# Allegro board 1103400-C000PC024-HI3521DV200-CORE-A01-pcb166.brd (continued)
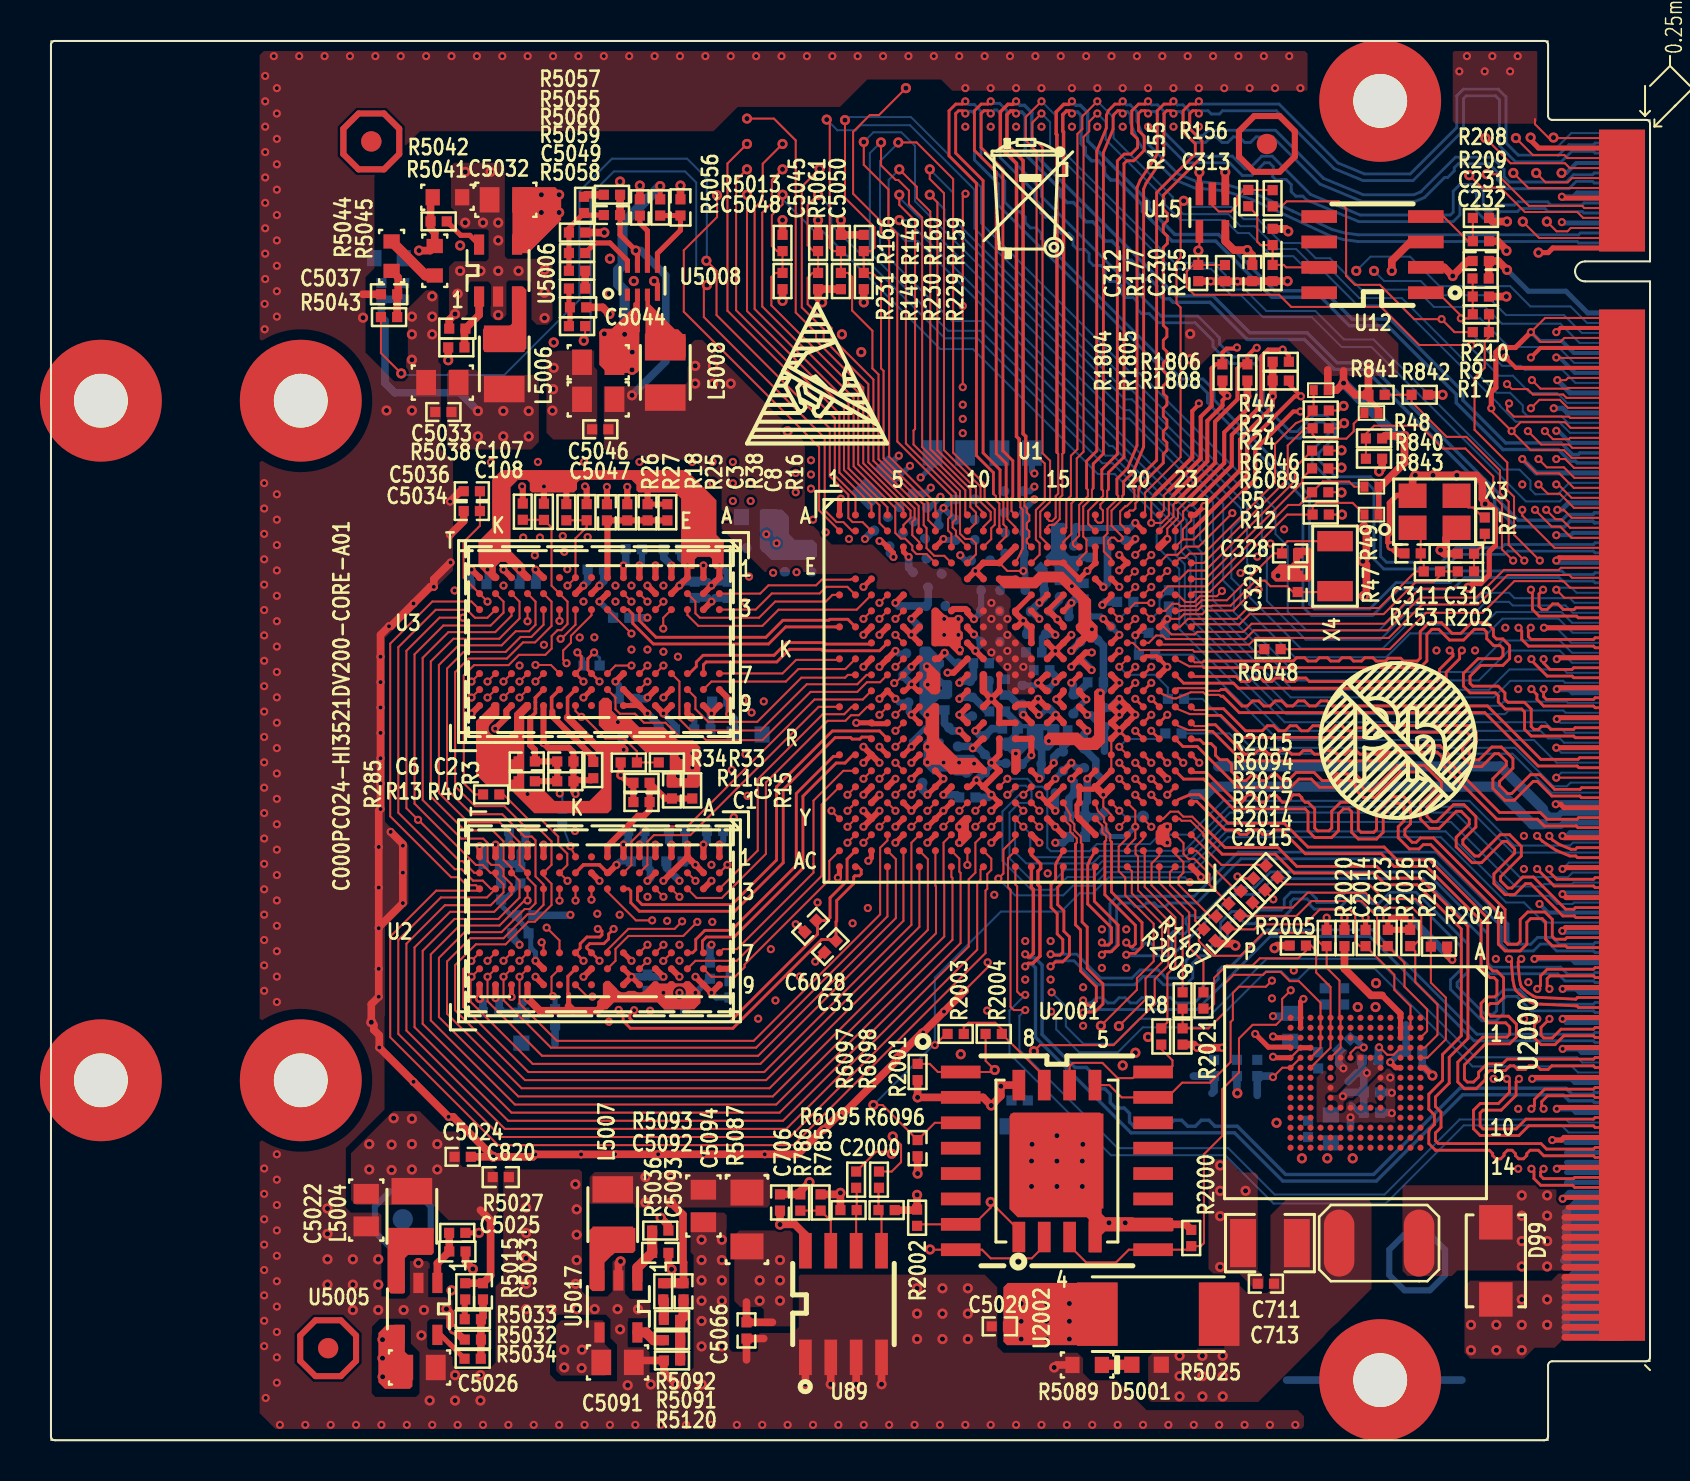
[diagram p0: board, top side]
## Routing (per net, layer and track width the routed paths; a pad name or vN(x,y) marks a point on that pad's centre or on a via; arc(x,y) is an arc through that point) (continued)
MIPI_RX2_D0N/VI2_DATA1: length 34.3
  TOP w0.142: U102.162 76.37,22.15 76.29,22.07 74.31,22.16 74.16,22.23 73.89,22.41 73.71,22.55 73.57,22.69 73.52,22.8 73.47,23.08 73.41,23.73 73.41,23.93 v1(73.56,24.08) ; U1.U19 v1(53.45,33.89)
  ART03 w0.114: v1(73.56,24.08) 73.42,24.22 73.42,27.5 73.19,28.05 66.31,34.93 56.91,34.93 56.59,34.84 55.36,34.65 54.25,34.65 53.98,34.54 53.74,34.31 53.74,34.19 v1(53.45,33.89)
MIPI_RX2_D0P/VI2_DATA2: length 34.3
  TOP w0.142: U1.U20 v1(54.25,33.89) ; U102.164 76.43,21.65 76.34,21.73 76.29,21.73 74.23,21.83 74,21.93 73.69,22.14 73.49,22.3 73.29,22.5 73.2,22.7 73.14,23.03 73.07,23.71 73.07,23.96 v1(72.95,24.08)
  ART03 w0.114: v1(54.25,33.89) 54.1,34.04 54.1,34.16 54.18,34.24 54.32,34.3 55.39,34.3 56.66,34.49 56.96,34.58 60.6,34.58 60.75,34.43 61.06,34.43 61.21,34.58 61.51,34.58 61.67,34.43 61.97,34.43 62.12,34.58 62.43,34.58 62.58,34.43 62.88,34.43 63.04,34.58 63.34,34.58 63.49,34.43 63.8,34.43 63.95,34.58 64.26,34.58 64.41,34.43 64.71,34.43 64.87,34.58 65.18,34.58 65.28,34.48 65.53,34.48 65.63,34.58 66.16,34.58 72.89,27.85 73.07,27.42 73.07,24.2 v1(72.95,24.08)
MIPI_RX2_D1N/VI2_CLK: length 37.4
  TOP w0.142: v1(74.97,21.08) 74.55,20.66 74.55,20.27 74.69,20.13 75.11,20.13 75.55,20.57 77.17,20.57 77.26,20.65 U102.168 ; U1.T21 v1(55.85,33.89)
  ART03 w0.114: v1(74.97,21.08) 74.88,21.17 74.88,21.35 74.97,21.44 74.97,21.9 74.68,22.2 74.2,22.2 73.98,22.42 73.52,22.42 73.18,22.07 73.18,21.62 72.94,21.39 72.78,21.39 72.49,21.68 72.49,22.57 72.17,22.89 71.42,22.89 70.87,23.45 70.87,24.8 71.04,24.98 71.04,25.23 70.87,25.41 70.87,25.71 70.98,25.83 71.19,25.83 71.63,26.26 71.63,26.79 71.19,27.22 70.98,27.22 70.75,27.45 70.75,27.64 70.78,27.67 70.78,27.86 70.64,27.99 70.45,27.99 70.43,27.97 70.24,27.97 70.1,28.1 70.1,28.29 70.13,28.32 70.13,28.51 70,28.64 69.81,28.64 69.78,28.61 69.59,28.61 66.9,31.3 64.82,31.3 64.55,31.57 64.55,31.83 64.14,32.24 63.56,32.24 63.15,31.83 63.15,31.6 62.95,31.4 62.56,31.4 61.49,32.47 60.71,32.47 59.71,33.46 56.55,33.46 56.12,33.89 v1(55.85,33.89)
MIPI_RX2_D1P/VI2_DATA0: length 37.5
  TOP w0.142: v1(74.36,21.08) 74.36,20.94 74.21,20.8 74.21,20.13 74.55,19.79 75.25,19.79 75.69,20.23 77.17,20.23 77.26,20.15 U102.170 ; U1.T20 v1(55.05,33.89)
  ART03 w0.114: v1(74.36,21.08) 74.52,21.25 74.52,21.5 74.62,21.59 74.62,21.75 74.53,21.84 74.05,21.84 73.83,22.06 73.67,22.06 73.53,21.93 73.53,21.48 73.09,21.03 72.63,21.03 72.14,21.53 72.14,22.42 72.02,22.54 71.27,22.54 70.51,23.3 70.51,25.86 70.83,26.18 71.05,26.18 71.27,26.41 71.27,26.64 71.05,26.87 70.83,26.87 66.75,30.95 64.67,30.95 64.19,31.43 64.19,31.68 63.99,31.89 63.71,31.89 63.51,31.68 63.51,31.46 63.1,31.05 62.41,31.05 61.35,32.11 60.56,32.11 59.57,33.11 56.37,33.11 55.95,33.52 55.42,33.52 v1(55.05,33.89)
MIPI_RX3_CKN/VI3_DATA4: length 38.8
  TOP w0.142: U102.174 77.26,19.15 77.17,19.07 72.85,19.07 72.62,18.83 71.85,18.83 71.42,18.41 71.42,18.17 71.17,17.92 70.86,17.92 70.72,18.06 70.72,18.78 71.77,19.84 72.98,19.84 73.31,20.17 73.31,20.82 72.92,21.22 72.02,21.22 71.88,21.36 71.88,21.73 72.01,21.85 72.38,21.85 72.67,22.15 72.67,23.14 72.34,23.48 72.14,23.48 71.88,23.73 71.88,26.12 68.96,29.04 67.33,29.04 66.7,29.68 62.89,29.68 61.7,30.87 58.89,30.87 57.46,32.3 56.98,32.3 56.98,32.29 56.41,32.06 U1.W22
MIPI_RX3_CKP/VI3_DATA3: length 38.6
  TOP w0.142: U102.176 77.26,18.65 77.17,18.73 75.09,18.73 74.9,18.55 74.52,18.55 74.33,18.73 73.95,18.73 73.76,18.55 73.38,18.55 73.2,18.73 72.99,18.73 72.76,18.5 71.98,18.5 71.76,18.27 71.76,18.04 71.31,17.59 70.72,17.59 70.38,17.93 70.38,18.92 71.63,20.17 72.84,20.17 72.98,20.31 72.98,20.68 72.78,20.89 71.89,20.89 71.55,21.22 71.55,21.86 71.87,22.18 72.24,22.18 72.34,22.29 72.34,23 72.2,23.15 72,23.15 71.55,23.59 71.55,25.98 68.82,28.71 67.2,28.71 66.56,29.35 62.75,29.35 61.56,30.54 61.19,30.54 60.96,30.31 60.62,30.31 60.39,30.54 60.05,30.54 59.83,30.31 59.48,30.31 59.26,30.54 58.75,30.54 57.32,31.97 57.12,31.97 U1.W23
MIPI_RX3_D0N/VI3_DATA6: length 39.8
  TOP w0.142: U102.180 77.26,17.65 77.17,17.57 74.73,17.57 74.22,17.05 74.22,16.73 v1(74.07,16.58) ; U1.W20 v1(54.25,32.29)
  ART03 w0.102: v1(54.25,32.29) 54.43,32.29 54.53,32.19 54.53,31.85 54.77,31.6 56.23,31.6 56.34,31.71 56.67,31.71 56.77,31.61 56.79,31.61
  ART03 w0.114: 56.79,31.61 58.13,31.61 59.59,30.16 60.38,30.16 62.84,27.69 63.4,27.69 63.81,28.1 63.81,28.43 64.01,28.63 64.29,28.63 64.49,28.43 64.49,28.1 64.9,27.69 65.48,27.69 65.89,28.1 65.89,28.43 66.09,28.63 66.38,28.63 66.58,28.43 66.58,28.1 66.99,27.69 67.39,27.69 68.5,26.58 68.5,25.61 68.22,25.33 68.22,22.72 71.25,19.69 71.25,17.06 71.86,16.44 72.47,16.44 73.13,17.1 74.09,17.1 74.19,17 74.19,16.71 v1(74.07,16.58)
MIPI_RX3_D0P/VI3_DATA5: length 39.8
  TOP w0.142: U102.182 77.26,17.15 77.17,17.23 74.87,17.23 74.58,16.94 74.58,16.68 v1(74.68,16.58) ; U1.W21 v1(55.05,32.29)
  ART03 w0.102: 56.79,31.97 56.77,31.97 56.71,31.91 56.25,31.91 56.15,31.81 54.91,31.81 54.77,31.95 54.77,32.19 54.87,32.29 v1(55.05,32.29)
  ART03 w0.114: 56.79,31.97 58.28,31.97 59.74,30.51 60.53,30.51 62.99,28.05 63.25,28.05 63.45,28.25 63.45,28.58 63.86,28.99 64.44,28.99 64.85,28.58 64.85,28.25 65.05,28.05 65.34,28.05 65.54,28.25 65.54,28.58 65.95,28.99 66.52,28.99 66.93,28.58 66.93,28.25 67.13,28.05 67.53,28.05 68.86,26.72 68.86,25.46 68.58,25.18 68.58,22.86 71.6,19.84 71.6,19.01 71.74,18.87 71.8,18.87 71.93,18.74 71.93,18.55 71.8,18.42 71.74,18.42 71.6,18.28 71.6,17.2 72.01,16.8 72.32,16.8 72.98,17.46 74.24,17.46 74.55,17.15 74.55,16.71 v1(74.68,16.58)
MIPI_RX3_D1N/VI3_DATA2: length 39.5
  TOP w0.142: U102.186 77.26,16.15 77.17,16.07 73.79,16.07 73.3,15.58 71.64,15.58 71.5,15.72 71.5,16.37 71.64,16.52 72.55,16.52 73.3,17.26 73.3,17.94 v1(73.44,18.08) ; v1(55.05,33.09) U1.V21
  ART03 w0.114: v1(55.05,33.09) 55.32,33.09 55.69,32.72 58.96,32.72 60.25,31.43 61.21,31.43 62.56,30.08 66.92,30.08 69.67,27.33 69.67,23.38 73.32,19.73 73.32,18.21 v1(73.44,18.08)
MIPI_RX3_D1P/VI3_DATA1: length 39.3
  TOP w0.142: v1(72.84,18.08) 72.97,17.95 72.97,17.4 72.41,16.85 71.5,16.85 71.17,16.51 71.17,15.58 71.5,15.25 73.44,15.25 73.93,15.73 77.17,15.73 77.26,15.65 U102.188 ; U1.V22 v1(55.85,32.29)
  ART03 w0.114: v1(55.85,32.29) 55.92,32.36 58.81,32.36 60.1,31.07 61.07,31.07 62.41,29.73 66.78,29.73 69.32,27.19 69.32,23.23 71.56,20.99 71.56,20.7 71.74,20.52 72.02,20.52 72.2,20.34 72.2,20.06 72.38,19.88 72.67,19.88 72.96,19.58 72.96,19.4 72.83,19.27 72.7,19.27 72.57,19.14 72.57,18.95 72.7,18.81 72.83,18.81 72.96,18.68 72.96,18.21 v1(72.84,18.08)
POR_ENABLE: length 34.8
  TOP w0.102: v1(73.71,44.01) 72.93,44.79 72.93,46.95 72.49,47.39 72.49,48.52 70.81,50.2 69.82,50.2 68.07,51.95 R842.1 R841.2 ; v1(55.05,41.89) 54.25,41.89 U1.G19
  ART03 w0.102: v1(73.71,44.01) 73.71,44.05 73.23,44.54 72.05,44.54 70.88,43.37 70.62,43.37 69.99,42.73 68.22,42.73 66.29,40.8 57.43,40.8 56.36,41.87 55.07,41.87 v1(55.05,41.89)
RTC_XIN: length 8.9
  TOP w0.102: U1.G22 56.52,41.49 56.56,41.53 57.36,41.53 57.57,41.73 58.08,41.73 58.11,41.76 59.02,41.76 60.27,43.01 60.73,43.01 61.01,42.73 61.85,42.73 62.14,42.44 C329.1 64.2,42.44 X4.1
RTC_XOUT: length 10.5
  TOP w0.102: X4.2 61.86,44.98 61.59,44.71 C328.1 61.17,44.37 58.83,42.03 57.57,42.03 57.28,41.74 56.51,41.74 56.4,41.85 56.1,41.85 55.75,41.49 U1.G21
SATA_LED_N0: length 58.9
  TOP w0.102: U1.Y13 v1(49.45,30.69) ; v2(42.06,14.33) 41.96,14.44 41.27,14.44 R6097.2
  ART03 w0.102: v2(42.06,14.33) 42.24,14.33 48.36,20.46 49.86,20.46 50.43,21.03 50.43,21.74 50.06,22.11 v1(50.06,22.41) 49.57,22.91 49.57,25.45 48.54,26.48 48.54,29.57 49.45,30.48 v1(49.45,30.69)
  BOTTOM w0.102: U102.175 76.61,18.9 76.35,19.16 71.26,19.16 66.33,24.09 60.82,24.09 57.83,21.09 54.46,21.09 53.2,19.83 51.65,19.83 50.77,20.71 50.77,21.7 v1(50.06,22.41)
SATA_LED_N1: length 59.2
  TOP w0.102: R6098.2 42.06,13.45 42.53,13.91 42.53,14.78 v2(42.11,15.2) ; v1(49.45,31.49) 49.05,31.89 U1.W13
  ART03 w0.102: v2(42.11,15.2) 42.47,15.2 48.18,20.91 49.55,20.91 50.04,21.4 v1(50.04,21.45) 50.04,21.5 49.2,22.34 49.2,25.33 48.28,26.25 48.28,29.73 49.05,30.49 49.05,31.09 v1(49.45,31.49)
  BOTTOM w0.102: U102.177 76.4,18.4 76.1,18.7 71.12,18.7 66.22,23.61 62.94,23.61 62.38,23.05 61.98,23.05 61.54,23.48 60.81,23.48 57.99,20.66 54.62,20.66 53.35,19.38 53.31,19.41 51.43,19.41 50.29,20.56 50.29,21.19 v1(50.04,21.45)
SATA_RXM0: length 37.6
  TOP w0.142: v1(52.58,24.29) 52.73,24.44 53.05,24.44 53.39,24.78 53.39,25.78 52.2,26.97 52.2,28.65 U1.AC17
  BOTTOM w0.142: U102.153 77.26,24.4 77.17,24.48 75.32,24.48 74.98,24.82 74.51,24.82 74.17,24.48 72.9,24.48 72.56,24.82 72.56,25.69 69.16,29.09 59.54,29.09 57.33,26.88 55.94,26.88 55.76,26.7 55.37,26.7 55.19,26.88 54.8,26.88 54.63,26.7 54.23,26.7 54.06,26.88 53.49,26.88 53.32,26.71 53.32,24.77 52.98,24.43 52.72,24.43 v1(52.58,24.29)
SATA_RXM1: length 45.4
  TOP w0.142: U1.AC15 50.6,28.64 50.6,27.9 50.37,27.67 50.37,26.79 50.68,26.49 50.68,25.47 50.95,25.19 50.95,24.27 50.62,23.93 50.24,23.93 v1(50.01,23.71)
  BOTTOM w0.142: v1(50.01,23.71) 50.29,23.99 51.18,23.99 52.38,22.79 54.22,22.79 54.63,23.2 55.25,23.2 55.66,22.79 56.78,22.79 57.12,23.13 57.12,23.87 57.49,24.24 58.06,24.24 58.85,25.03 58.85,25.76 59.21,26.12 59.47,26.12 59.75,25.84 60.23,25.84 60.58,26.2 61.69,26.2 62.03,26.53 62.03,26.94 62.17,27.09 62.84,27.09 62.99,26.94 62.99,26.78 63.2,26.57 64.4,26.57 64.91,27.09 65.39,27.09 65.96,26.52 66.57,26.52 67.13,27.09 68.16,27.09 70.55,24.69 70.55,23.57 70.02,23.04 70.02,22.56 71.59,20.99 72.3,20.99 72.66,21.35 72.66,22.07 72.8,22.21 73.33,22.21 74.05,21.48 77.17,21.48 77.26,21.4 U102.165
SATA_RXP0: length 37.6
  TOP w0.142: v1(52.58,24.9) 52.7,24.78 52.92,24.78 53.06,24.92 53.06,25.64 51.87,26.83 51.87,28.78 51.97,29.01 U1.AB17
  BOTTOM w0.142: U102.151 77.26,24.9 77.17,24.82 75.46,24.82 75.12,25.16 74.37,25.16 74.03,24.82 73.04,24.82 72.9,24.96 72.9,25.83 69.3,29.42 59.4,29.42 57.19,27.21 53.35,27.21 52.98,26.84 52.98,24.9 52.84,24.76 52.72,24.76 v1(52.58,24.9)
SATA_RXP1: length 45.5
  TOP w0.142: U1.AB15 50.32,28.93 50.26,28.79 50.26,28.04 50.03,27.81 50.03,26.66 50.34,26.35 50.34,25.33 50.62,25.05 50.62,24.41 50.48,24.27 50.06,24.27 v1(50.01,24.32)
  BOTTOM w0.142: v1(50.01,24.32) 50.01,24.32 51.32,24.32 52.51,23.12 54.08,23.12 54.49,23.53 55.39,23.53 55.8,23.12 56.64,23.12 56.79,23.27 56.79,24.01 57.36,24.57 57.93,24.57 58.52,25.17 58.52,25.9 59.07,26.45 59.61,26.45 59.89,26.18 60.09,26.18 60.44,26.53 61.55,26.53 61.7,26.67 61.7,27.08 62.03,27.42 62.98,27.42 63.32,27.08 63.32,26.92 63.34,26.91 64.26,26.91 64.77,27.42 65.53,27.42 66.09,26.86 66.43,26.86 66.99,27.42 68.3,27.42 70.89,24.83 70.89,23.44 70.35,22.9 70.35,22.7 71.73,21.32 72.16,21.32 72.33,21.49 72.33,22.2 72.67,22.54 73.47,22.54 74.19,21.82 77.17,21.82 77.26,21.9 U102.163
SATA_TXM0: length 38.7
  TOP w0.102: 52.73,29.94 52.73,29.95 52.79,30.02 52.79,30.22 52.6,30.42 52.6,30.75 U1.Y17
  TOP w0.142: v1(53.8,24.9) 54.01,24.69 54.11,24.69 54.25,24.83 54.25,25.77 52.73,27.29 52.73,29.94
  BOTTOM w0.142: v1(53.8,24.9) 54.13,24.57 54.44,24.57 54.75,24.88 55.01,24.88 55.32,24.57 55.94,24.57 56.08,24.71 56.08,24.94 55.98,25.05 55.98,25.28 56.15,25.45 56.38,25.45 56.48,25.35 56.72,25.35 56.89,25.51 56.89,25.75 56.78,25.85 56.78,26.09 56.95,26.25 57.19,26.25 57.29,26.15 57.52,26.15 59.02,27.65 60.23,27.65 61.01,28.43 68.8,28.43 71.87,25.36 71.87,23.88 72.08,23.67 75.52,23.67 75.88,23.32 77.17,23.32 77.26,23.4 U102.157
SATA_TXM1: length 42.8
  TOP w0.102: U1.Y15 50.74,31.01 51,30.75 51,30.44 51.32,30.11 51.32,29.9 51.26,29.84 51.26,29.81
  TOP w0.142: v1(51.64,22.01) 51.89,21.76 52.09,21.76 52.3,21.97 52.3,22.69 51.51,23.48 51.51,25.54 51.26,25.79 51.26,29.81
  BOTTOM w0.142: v1(51.64,22.01) 51.76,21.88 52.04,21.88 52.3,22.14 52.61,22.14 52.87,21.88 53.18,21.88 53.44,22.14 53.75,22.14 54,21.88 54.31,21.88 54.57,22.14 54.88,22.14 55.14,21.88 55.45,21.88 55.71,22.14 56.02,22.14 56.28,21.88 57.2,21.88 57.59,22.27 57.59,22.67 57.79,22.87 58.2,22.87 58.4,23.07 58.4,23.48 58.59,23.68 59,23.68 60.86,25.54 66.12,25.54 71.34,20.32 77.17,20.32 77.26,20.4 U102.169
SATA_TXP0: length 38.5
  TOP w0.102: 53.06,29.94 52.99,30 52.99,30.31 52.8,30.5 52.8,30.83 52.69,30.94 52.69,31.16 52.39,31.47 U1.W17
  TOP w0.142: v1(53.8,24.29) 53.8,24.29 53.8,24.29 53.87,24.36 54.25,24.36 54.58,24.7 54.58,25.9 53.06,27.43 53.06,29.94
  BOTTOM w0.142: U102.159 77.26,22.9 77.17,22.98 75.74,22.98 75.39,23.34 71.94,23.34 71.54,23.75 71.54,25.22 68.66,28.1 61.15,28.1 60.36,27.31 59.16,27.31 56.08,24.24 53.85,24.24 v1(53.8,24.29)
SATA_TXP1: length 42.7
  TOP w0.102: U1.W15 51,31.28 51,31.03 51.2,30.83 51.2,30.52 51.52,30.2 51.52,29.9 51.59,29.84 51.59,29.8
  TOP w0.142: v1(51.64,21.4) 51.97,21.43 52.22,21.43 52.63,21.83 52.63,22.83 51.84,23.62 51.84,25.67 51.59,25.93 51.59,29.8
  BOTTOM w0.142: U102.171 77.26,19.9 77.17,19.98 71.2,19.98 65.98,25.2 61,25.2 57.34,21.55 51.79,21.55 v1(51.64,21.4)
SFC_CLK: length 9.8
  TOP w0.102: R8.1 55.85,20.91 55.85,23.33 56.25,23.72 56.25,26.15 54.72,27.69 54.72,29.43 U1.AB20
SFC_CLK_R: length 8
  TOP w0.102: R8.2 55.55,19.57 56.11,19.01 56.11,18.73 55.8,18.42 U2001.16 54.43,18.42 54.13,18.12 53.36,18.12 52.6,18.88 51.13,18.88 50.96,18.72 U2002.6
SFC_CS0N: length 27.7
  TOP w0.102: U1.AC19 54.08,28.47 54.08,27.37 55.59,25.85 55.59,23.92 54.76,23.1 54.76,22.06 v2(53.43,20.72) ; U2002.1 48.42,10.51 v2(47.01,11.92) 47.01,11.64 46.18,10.8 U2001.7 43.41,10.8 R2002.2
  ART03 w0.102: v2(53.43,20.72) 53.43,20.39 47.89,14.86 47.89,13.33 47.27,12.71 47.27,12.18 v2(47.01,11.92)
SFC_CS1N/GPIO11_6: length 1.9
  TOP w0.102: v1(53.45,31.49) 53.05,31.89 U1.W18
  BOTTOM w0.102: TP1.1 53.74,31.2 v1(53.45,31.49)
SFC_HOLD_IO3: length 25
  TOP w0.102: U1.AA20 54.65,30.09 54.26,29.7 54.26,29.33 54.38,29.21 54.38,27.51 55.9,25.99 55.9,23.76 55.22,23.07 55.22,21.83 53.16,19.77 49.48,19.77 v2(49.17,19.47) ; R2004.2 46.76,18.98 v2(47.22,18.53) 47.12,18.42 U2001.1 44.37,18.42 43.97,18.83 R2001.2
  ART03 w0.102: v2(47.22,18.53) 48.16,19.47 v2(49.17,19.47)
SFC_MISO_IO1: length 33
  TOP w0.102: v2(43.98,9.55) 43.99,9.53 U2001.8 46.58,9.53 47.02,9.1 49.07,9.1 49.69,9.72 U2002.2 ; U1.AA19 53.85,30.13 53.42,29.7 53.42,28.48 53.75,28.15 53.75,27.26 55.17,25.84 55.17,23.96 54.33,23.12 54.33,22.54 v2(52.53,20.74)
  ART03 w0.102: v2(52.53,20.74) 52.53,20.23 47.45,15.15 47.45,13.55 43.82,9.92 43.82,9.71 v2(43.98,9.55)
SFC_MOSI_IO0: length 26.1
  TOP w0.102: v1(55.05,30.69) U1.Y20 ; v1(61.09,23) 60.78,22.69 59.44,22.69 59.13,22.39 59.13,21.04 59.02,20.93 59.02,18.92 57.99,17.89 56.59,17.89 55.85,17.15 U2001.15 53.57,17.15 52.95,17.77 U2002.5
  ART03 w0.102: v1(55.05,30.69) 55.44,30.3 56.84,30.3 58.53,28.61 59.54,28.61 60.1,28.05 60.1,26.78 61.67,25.21 61.67,24.26 61.09,23.68 v1(61.09,23)
SFC_WP_IO2: length 29
  TOP w0.102: v1(62.03,22.51) 61.59,22.08 61.59,21.09 61.29,20.79 60.12,20.79 59.44,20.1 59.44,18.4 58.6,17.56 58.6,15.22 57.68,14.31 57.68,9.86 57.53,9.71 R2000.1 56.87,9.53 U2001.9 53.92,9.53 53.29,8.9 51.79,8.9 50.96,9.73 U2002.3 ; v1(61.15,27.06) 60.74,27.48 R6094.2
  ART03 w0.102: v1(61.15,27.06) 61.15,26.66 62.18,25.64 62.18,24.09 61.75,23.66 61.75,22.84 62.03,22.56 v1(62.03,22.51)
SVB_PWM_CORE: length 35.4
  TOP w0.102: R5058.1 26.73,55.08 v2(26.66,55.01) ; U1.B2 40.09,45.49 39.64,45.94 39.3,45.94 38.71,46.53 38.71,50.15 32.66,56.19 32.66,57.64 v2(32.82,57.79)
  BOTTOM w0.102: v2(32.82,57.79) 32.28,58.33 32.28,62.92 31.72,63.48 28.17,63.48 27,62.32 27,55.36 v2(26.66,55.01)
SVB_PWM_CPU: length 48
  TOP w0.102: R5043.1 16.51,54.39 v2(17.53,53.37) ; v2(32.79,59.01) 33.3,58.51 33.3,56.3 38.96,50.63 38.96,48.24 39.89,47.31 39.89,46.15 40.1,45.94 40.6,45.94 U1.B3
  BOTTOM w0.102: v2(17.53,53.37) 17.6,53.3 22.68,53.3 26.44,57.06 26.44,62.49 28.07,64.12 31.83,64.12 32.82,63.13 32.82,59.04 v2(32.79,59.01)
SYS_RSTN: length 98.8
  TOP w0.102: U2001.3 44.22,15.88 C2000.1 41.6,16.77 v2(41.15,16.77) ; v1(71.07,54.8) 68.45,54.8 66.55,56.7 62.05,56.7 61.44,57.31 57.2,57.31 56.82,57.69 56.82,58.48 57.14,58.8 C312.1 ; U15.4 57.45,59.57 v2(57.4,59.52) 57.4,58.81 C312.1 ; R177.1 57.4,58.8 C312.1 ; v1(55.05,41.09) 54.65,41.49 U1.G20 ; v1(44.22,19.77) 44.78,20.33 R2003.2
  ART03 w0.102: v1(56.97,27.92) 55.85,29.04 55.52,29.04 54.75,29.82 53.76,29.82 53.03,30.54 53.03,31.89 53.16,32.02 53.16,32.52 53.05,32.64 53.05,34.9 53.23,35.09 53.7,35.09 53.85,35.24 53.85,39.2 55.05,40.4 v1(55.05,41.09) 54.65,40.7 54.08,40.7 53.83,40.94 53.83,45.26 54.08,45.5 54.5,45.5 54.65,45.65 54.65,46.07 55.57,47 55.57,51.94 57.57,53.93 57.57,59.36 v2(57.4,59.52)
  BOTTOM w0.102: v1(71.07,54.8) 71.07,54.62 72.43,53.26 73.14,53.26 74,52.4 75.35,52.4 75.84,51.9 U102.43 ; v1(55.05,41.09) 55.46,41.51 55.46,42.06 C6008.1 ; v1(56.97,27.92) 56.74,28.16 52.92,28.16 52.12,27.36 51.46,27.36 50.55,26.45 47.52,26.45 44.22,23.15 v1(44.22,19.77) 44.14,19.77 v2(41.15,16.77)
SYS_RSTN_OUT: length 25.2
  TOP w0.102: R156.1 61.57,61.73 61.82,61.98 64.43,61.98 64.79,61.62 64.79,58.25 65.24,57.81 66.49,57.81 68.2,56.09 v1(69.57,56.09) 70.22,55.44 R17.2
  BOTTOM w0.102: v1(69.57,56.09) 70.22,55.44 71.01,55.44 71.86,54.59 71.86,54.5 72.6,53.76 73.53,53.76 73.74,53.55 75.62,53.55 76.27,52.9 U102.39
SYS_RSTN_OUT/WDG_RSTN: length 37.4
  TOP w0.102: v1(74.48,44.01) 73.2,45.3 73.2,47.2 72.86,47.54 72.86,48.92 71.22,50.55 71.22,53.15 71.73,53.65 71.73,54.97 71.94,55.19 R17.1 71.94,56.33 R9.1 ; U1.F19 v1(54.25,42.69)
  ART03 w0.102: v1(54.25,42.69) 54.47,42.69 54.86,42.3 57.02,42.3 58.04,41.28 66.06,41.28 67.94,43.16 69.86,43.16 70.46,43.76 70.72,43.76 72.02,45.07 73.41,45.07 74.29,44.18 74.29,44.16 74.44,44.01 v1(74.48,44.01)
TEST_MODE: length 35
  TOP w0.102: U1.H19 v1(54.25,41.09) ; R843.1 R840.2 65.79,50.35 66.19,50.76 68.5,50.76 69.65,49.62 70.76,49.62 72.16,48.22 72.16,47.26 72.59,46.82 72.59,44.57 v1(73.15,44.01)
  ART03 w0.102: v1(73.15,44.01) 71.85,44.01 70.95,43.11 70.75,43.11 70.09,42.45 68.5,42.45 66.55,40.5 57.2,40.5 56.21,41.49 54.64,41.49 v1(54.25,41.09)
UART0_RXD: length 76.1
  TOP w0.102: U1.A9 45.74,46.4 45.74,47.53 43.59,49.69 43.59,61.17 42.93,61.83 42.93,62.52 42.39,63.05 42.26,63.05 41.53,63.79 v2(41.53,64.93)
  BOTTOM w0.102: U102.105 75.77,36.4 75.67,36.51 72.92,36.51 72.75,36.33 61.8,36.33 57,41.12 57,44 56.54,44.47 56.54,45.86 53.13,49.26 52.75,49.26 46.51,55.51 44.88,55.51 40.97,59.42 40.97,64.4 41.5,64.93 v2(41.53,64.93)
UART0_TXD: length 77.9
  TOP w0.102: v2(42.39,64.93) 43.31,64.93 45.14,63.1 45.14,49.41 46.71,47.84 46.71,47.08 47.22,46.57 47.22,45.81 47.04,45.63 47.04,45.09 U1.C10
  BOTTOM w0.102: U102.103 75.88,36.9 75.83,36.95 72.68,36.95 72.48,36.75 61.89,36.75 57.28,41.35 57.28,44.18 56.82,44.64 56.82,46.03 53.11,49.75 52.95,49.75 46.71,55.99 45.08,55.99 41.48,59.6 41.48,63.99 42.39,64.91 v2(42.39,64.93)
UART1_CTSN: length 72.1
  TOP w0.102: v2(42.44,63.59) 43.32,62.71 43.32,62.15 43.99,61.48 43.99,49.59 46,47.58 46,46.69 46.28,46.41 46.28,45.91 45.87,45.49 U1.B9
  BOTTOM w0.102: v2(42.44,63.59) 41.91,63.05 41.91,60.84 42.75,60 43.36,60 57.17,46.19 57.17,44.82 57.56,44.43 57.56,41.63 62.03,37.17 72.19,37.17 73.01,37.99 75.65,37.99 75.75,37.9 U102.99
UART1_RTSN: length 66.7
  TOP w0.102: U1.C9 45.28,45.27 45.28,45.5 45.11,45.67 45.11,45.92 45.28,46.08 45.28,47.36 42.77,49.87 42.77,60.71 v2(42.44,61.05)
  BOTTOM w0.102: U102.97 75.84,38.4 75.67,38.57 72.97,38.57 71.95,37.55 62.13,37.55 57.84,41.84 57.84,44.71 57.49,45.06 57.49,46.38 42.82,61.05 v2(42.44,61.05)
UART1_RXD: length 70.5
  TOP w0.102: v2(42.44,62.32) 42.44,61.81 43.23,61.02 43.23,50.59 43.15,50.52 43.15,49.82 45.48,47.49 45.48,45.36 45.74,45.09 46.05,45.09 46.28,44.87 46.28,44.32 U1.D9
  BOTTOM w0.102: v2(42.44,62.32) 42.44,62.17 53.5,51.11 53.94,51.11 58.14,46.91 58.14,42.02 62.14,38.02 71.43,38.02 72.92,39.51 75.49,39.51 76.09,38.9 U102.95
UART1_TXD: length 76.9
  TOP w0.102: U1.C8 45.05,45.35 44.88,45.52 44.88,46.09 45.05,46.26 45.05,47.26 42.34,49.97 42.34,60.36 41.9,60.8 41.9,62.58 40.66,63.81 v2(40.66,64.96)
  BOTTOM w0.102: U102.93 76.1,39.4 75.48,40.01 72.62,40.01 71.04,38.44 62.18,38.44 59.18,41.44 59.18,42.48 58.65,43.01 58.65,46.85 53.96,51.54 53.68,51.54 43.23,61.98 43.23,64.75 42.54,65.44 41.15,65.44 v2(40.66,64.96)
USB2_0_DM: length 64.5
  TOP w0.102: 48.77,47.04 48.7,46.98 48.7,46.76 48.82,46.64 48.82,46.42 48.95,46.29 48.95,46.01 48.82,45.89 48.82,45.61 48.95,45.48 48.95,45.2 48.82,45.07 48.82,44.92 U1.C13
  TOP w0.17: v1(48.28,66.38) 48.16,66.51 48.01,66.51 47.83,66.32 47.83,64.83 48.64,64.02 48.64,50.36 48.77,50.23 48.77,47.04
  BOTTOM w0.17: v1(48.28,66.38) 48.36,66.46 48.57,66.46 48.74,66.29 48.74,64.34 50.51,62.57 50.51,62.28 50.51,62.25 50.83,61.93 51.15,61.93 51.48,61.6 51.48,61.32 51.47,61.29 51.8,60.96 52.12,60.96 52.44,60.64 52.44,60.36 52.44,60.32 52.76,60 53.08,60 53.4,59.68 53.4,59.4 53.4,59.36 53.72,59.04 54.04,59.04 54.36,58.71 54.36,58.43 54.36,58.4 54.69,58.07 55,58.07 55.33,57.75 55.33,57.47 55.33,57.43 55.65,57.11 55.97,57.11 56.09,56.99 56.15,56.93 57.99,56.93 59.84,55.08 62.71,55.08 64.21,53.58 65.75,53.58 69.7,49.62 72.22,47.1 72.22,46.75 73.27,45.7 75.73,45.7 76.01,45.98 77.14,45.98 77.22,45.9 U102.67
USB2_0_DP: length 64.6
  TOP w0.102: U1.D12 48.53,44.41 48.62,44.63 48.62,46.56 48.5,46.67 48.5,46.98 48.44,47.04
  TOP w0.17: 48.44,47.04 48.44,50.09 48.31,50.22 48.31,63.89 47.5,64.69 47.5,66.46 47.87,66.84 48.13,66.84 v1(48.28,66.99)
  BOTTOM w0.17: U102.65 77.22,46.4 77.14,46.32 75.87,46.32 75.59,46.03 73.41,46.03 72.55,46.88 72.55,47.24 65.89,53.91 64.35,53.91 62.85,55.41 59.98,55.41 58.13,57.26 56.29,57.26 49.07,64.47 49.07,66.42 48.71,66.79 48.49,66.79 v1(48.28,66.99)
USB2_0_OVRCUR: length 60.8
  TOP w0.102: v1(49.55,66.38) 49.1,65.92 49.1,65.19 49.61,64.68 49.61,49.39 49.99,49.01 49.99,46.95 49.49,46.45 49.49,45.21 49.85,44.85 U1.C14
  BOTTOM w0.102: v1(49.55,66.38) 49.99,65.95 49.99,64.68 56.05,58.61 58.03,58.61 58.47,58.17 58.47,57.87 59.07,57.27 59.55,57.27 60.63,56.19 63.08,56.19 64.58,54.7 66.06,54.7 73.79,46.97 75.49,46.97 75.92,47.4 U102.61
USB2_0_PWREN: length 62.9
  TOP w0.102: U1.D13 49.46,44.31 49.46,44.88 49.28,45.07 49.28,46.54 49.72,46.99 49.72,48.87 49.31,49.27 49.31,64.49 48.77,65.03 48.77,66.2 v1(49.55,66.99)
  BOTTOM w0.102: v1(49.55,66.99) 50.29,66.25 50.29,64.83 56.22,58.91 58.15,58.91 58.78,58.28 58.78,57.98 59.19,57.57 59.74,57.57 60.81,56.5 63.26,56.5 64.68,55.08 66.17,55.08 72.68,48.56 73.47,48.56 74.02,48.01 74.02,47.58 74.27,47.33 75.39,47.33 75.96,47.9 U102.59
USB2_1_DM: length 44.9
  TOP w0.17: U1.AB13 49.05,29.29 49.51,28.83 49.51,28.61 49.38,28.47 49.38,27.79 49.48,27.7 49.48,24.22 49.12,23.86 48.89,23.86 v1(48.74,23.71)
  BOTTOM w0.17: v1(48.74,23.71) 48.84,23.81 49.08,23.81 49.25,23.64 49.25,20.16 50.85,18.57 54.03,15.38 59.22,15.38 61.63,12.97 66.31,12.97 70.62,17.28 75.66,17.28 75.95,16.98 77.14,16.98 77.22,16.9 U102.183
USB2_1_DP: length 44.9
  TOP w0.17: U1.AC13 49.05,27.66 49.15,27.56 49.15,24.36 48.98,24.19 48.87,24.19 v1(48.74,24.32)
  BOTTOM w0.17: U102.181 77.22,17.4 77.14,17.32 76.09,17.32 75.79,17.61 70.48,17.61 66.17,13.3 61.77,13.3 59.35,15.71 58.23,15.71 57.93,16.01 57.55,16.01 57.25,15.71 56.87,15.71 56.57,16.01 56.19,16.01 55.89,15.71 55.51,15.71 55.21,16.01 54.83,16.01 54.53,15.71 54.17,15.71 53.96,15.92 53.96,16.36 53.69,16.62 53.26,16.62 53,16.89 53,17.32 52.73,17.58 52.3,17.58 51.97,17.92 51.97,18.48 51.8,18.65 51.23,18.65 49.58,20.3 49.58,23.78 49.22,24.14 48.92,24.14 v1(48.74,24.32)
USB2_1_OVRCUR: length 45.7
  TOP w0.102: U1.AB12 47.88,29.13 47.88,27.67 48.01,27.54 48.01,21.69 48.17,21.52 v1(48.74,21.52)
  BOTTOM w0.102: v1(48.74,21.52) 48.45,21.23 48.45,19.53 53.37,14.62 58.9,14.62 61.22,12.29 66.72,12.29 70.47,16.05 75.81,16.05 75.95,15.9 U102.187
USB2_1_PWREN: length 45.5
  TOP w0.102: v1(48.74,22.28) 48.5,22.28 48.34,22.45 48.34,27.72 48.25,27.81 U1.AC12
  BOTTOM w0.102: U102.189 75.92,15.4 75.56,15.76 70.69,15.76 66.78,11.85 61.16,11.85 58.75,14.26 53.03,14.26 47.95,19.34 47.95,21.5 v1(48.74,22.28)
USB2_2_DM: length 58.4
  TOP w0.102: 50.66,49.44 50.66,49.41 50.6,49.35 50.6,47.28 50.47,47.15 50.47,46.08 50.18,45.79 49.95,45.79 49.85,45.69 U1.B14
  TOP w0.17: v1(51.08,66.38) 50.95,66.51 50.8,66.51 50.62,66.32 50.62,65.49 50.66,65.45 50.66,49.44
  BOTTOM w0.17: v1(51.08,66.38) 51.16,66.46 51.37,66.46 51.54,66.29 51.54,64.87 51.75,64.66 51.75,64.38 51.75,64.33 52.06,64.01 52.34,64.01 52.39,64.01 52.71,63.7 52.71,63.42 52.71,63.37 53.03,63.05 53.31,63.05 53.36,63.05 54.6,61.81 54.6,61.48 56.09,59.99 58.27,59.99 61.09,57.18 63.54,57.18 64.96,55.76 66.87,55.76 70.31,52.32 70.31,51.9 72.64,49.56 75.41,49.56 75.99,48.99 76.27,48.99 76.36,48.9 U102.55
USB2_2_DP: length 58.3
  TOP w0.102: 50.33,49.44 50.33,49.41 50.39,49.35 50.39,47.36 50.27,47.24 50.27,46.17 50.09,46 49.95,46 49.83,46.11 49.83,46.28 U1.A14
  TOP w0.17: v1(51.08,66.99) 50.93,66.84 50.67,66.84 50.29,66.46 50.29,65.35 50.33,65.32 50.33,49.44
  BOTTOM w0.17: v1(51.08,66.99) 51.28,66.79 51.5,66.79 51.87,66.42 51.87,65.01 54.93,61.94 54.93,61.62 56.23,60.33 58.41,60.33 61.22,57.51 63.68,57.51 65.1,56.09 67.01,56.09 70.64,52.46 70.64,52.04 72.78,49.89 75.55,49.89 76.13,49.32 76.41,49.32 76.49,49.4 U102.53